# KiCad board led_mapper_850_mirrored.kicad_pcb (continued)
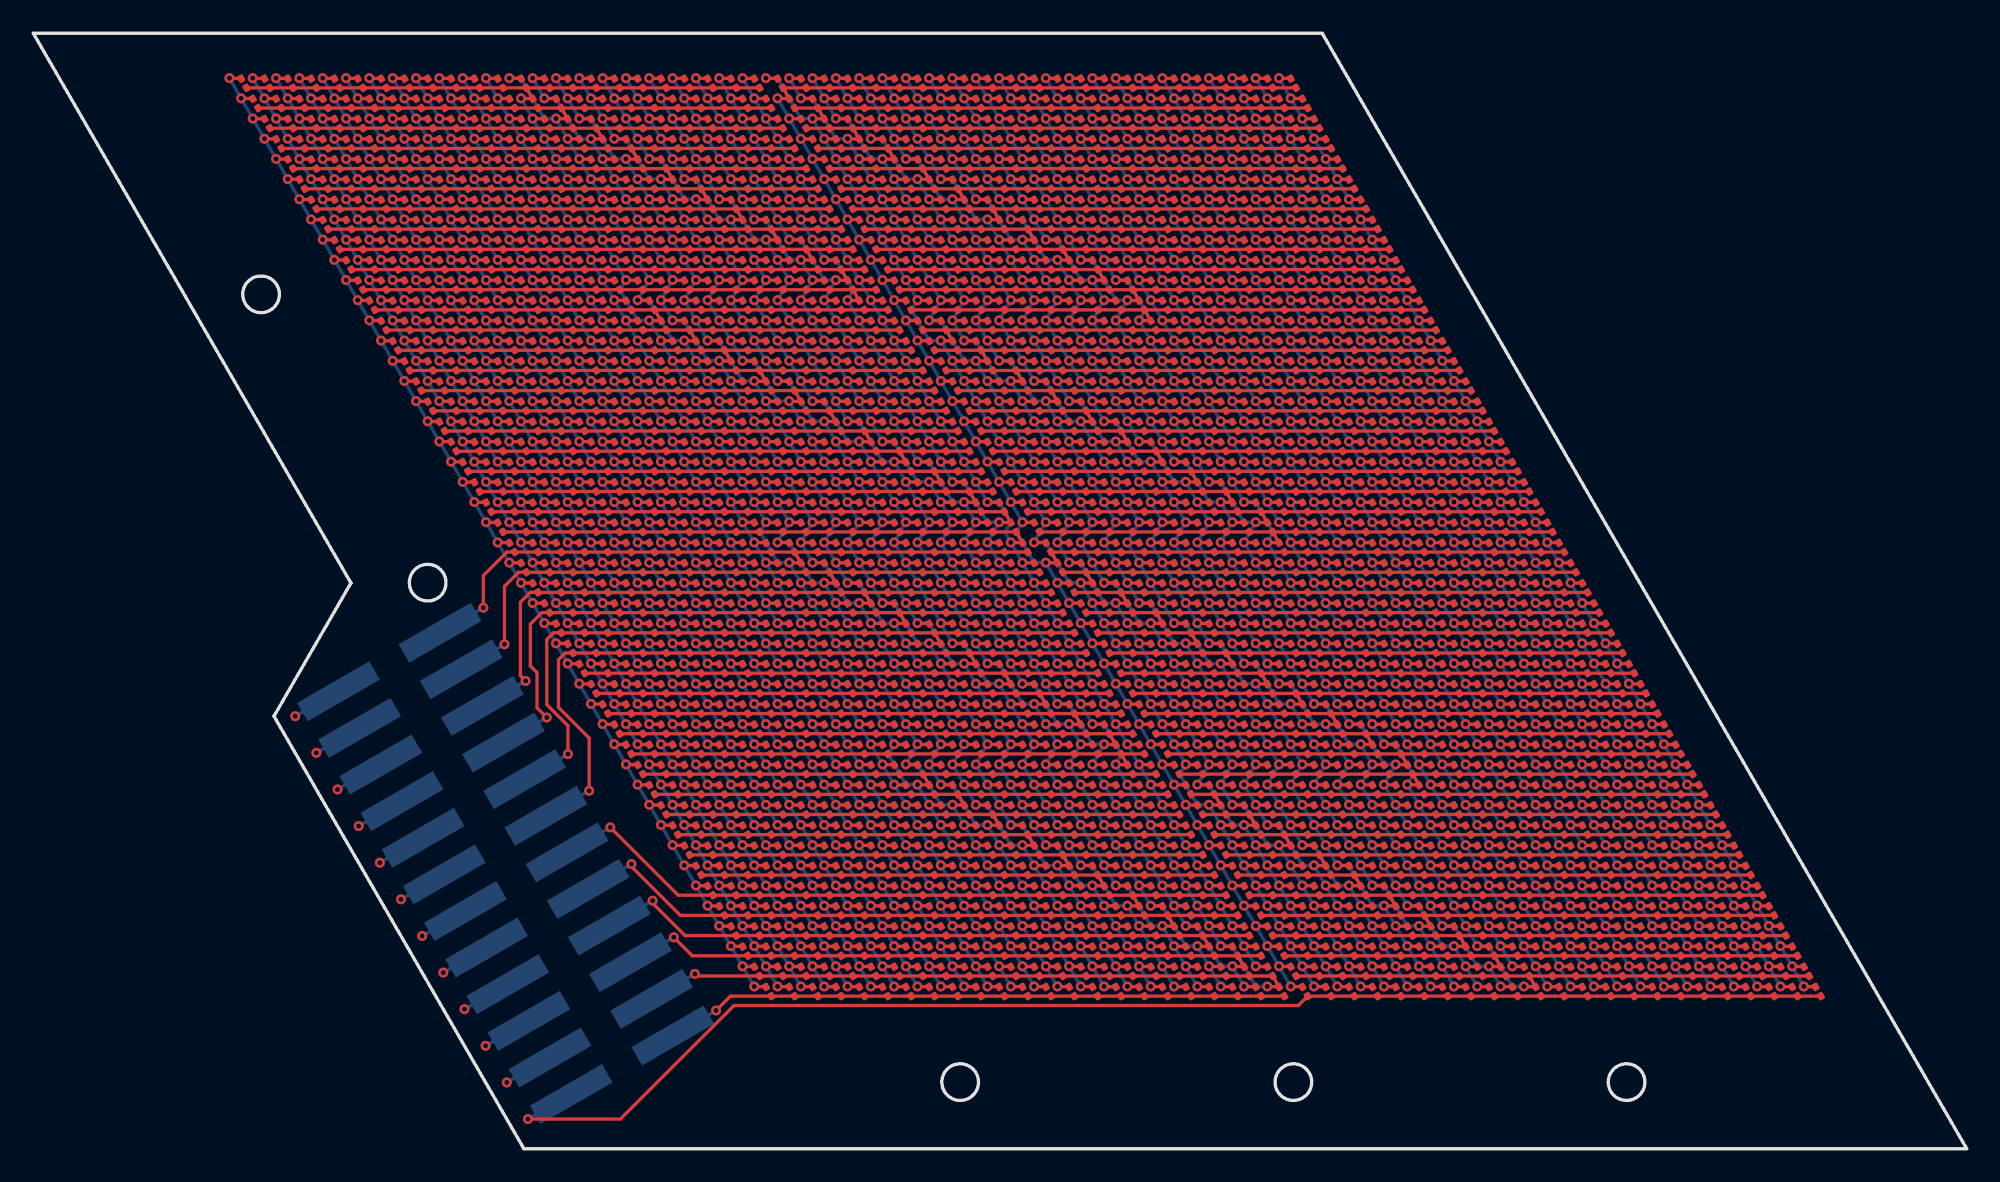
[diagram p0: board, top side]
## Placement (name value [footprint] x y rotation side) (continued)
D1164  LED  [LED_0201_0603Metric_XINGLIGHT]  74.93 33.69 120 top
D1165  LED  [LED_0201_0603Metric_XINGLIGHT]  73.53 33.69 120 top
D1166  LED  [LED_0201_0603Metric_XINGLIGHT]  72.13 33.69 120 top
D1167  LED  [LED_0201_0603Metric_XINGLIGHT]  70.73 33.69 120 top
D1168  LED  [LED_0201_0603Metric_XINGLIGHT]  69.33 33.69 120 top
D1169  LED  [LED_0201_0603Metric_XINGLIGHT]  67.93 33.69 120 top
D1170  LED  [LED_0201_0603Metric_XINGLIGHT]  66.53 33.69 120 top
D1171  LED  [LED_0201_0603Metric_XINGLIGHT]  65.13 33.69 120 top
D1172  LED  [LED_0201_0603Metric_XINGLIGHT]  63.73 33.69 120 top
D1173  LED  [LED_0201_0603Metric_XINGLIGHT]  62.33 33.69 120 top
D1174  LED  [LED_0201_0603Metric_XINGLIGHT]  60.93 33.69 120 top
D1175  LED  [LED_0201_0603Metric_XINGLIGHT]  59.53 33.69 120 top
D1176  LED  [LED_0201_0603Metric_XINGLIGHT]  58.13 33.69 120 top
D1177  LED  [LED_0201_0603Metric_XINGLIGHT]  56.73 33.69 120 top
D1178  LED  [LED_0201_0603Metric_XINGLIGHT]  55.33 33.69 120 top
D1179  LED  [LED_0201_0603Metric_XINGLIGHT]  53.93 33.69 120 top
D1180  LED  [LED_0201_0603Metric_XINGLIGHT]  52.53 33.69 120 top
D1181  LED  [LED_0201_0603Metric_XINGLIGHT]  51.13 33.69 120 top
D1182  LED  [LED_0201_0603Metric_XINGLIGHT]  49.73 33.69 120 top
D1183  LED  [LED_0201_0603Metric_XINGLIGHT]  48.33 33.69 120 top
D1184  LED  [LED_0201_0603Metric_XINGLIGHT]  46.93 33.69 120 top
D1185  LED  [LED_0201_0603Metric_XINGLIGHT]  45.53 33.69 120 top
D1186  LED  [LED_0201_0603Metric_XINGLIGHT]  44.13 33.69 120 top
D1187  LED  [LED_0201_0603Metric_XINGLIGHT]  42.73 33.69 120 top
D1188  LED  [LED_0201_0603Metric_XINGLIGHT]  41.33 33.69 120 top
D1189  LED  [LED_0201_0603Metric_XINGLIGHT]  39.93 33.69 120 top
D1190  LED  [LED_0201_0603Metric_XINGLIGHT]  38.53 33.69 120 top
D1191  LED  [LED_0201_0603Metric_XINGLIGHT]  37.13 33.69 120 top
D1192  LED  [LED_0201_0603Metric_XINGLIGHT]  35.73 33.69 120 top
D1193  LED  [LED_0201_0603Metric_XINGLIGHT]  34.33 33.69 120 top
D1194  LED  [LED_0201_0603Metric_XINGLIGHT]  32.93 33.69 120 top
D1195  LED  [LED_0201_0603Metric_XINGLIGHT]  31.53 33.69 120 top
D1196  LED  [LED_0201_0603Metric_XINGLIGHT]  30.13 33.69 120 top
D1197  LED  [LED_0201_0603Metric_XINGLIGHT]  93.83 32.48 120 top
D1198  LED  [LED_0201_0603Metric_XINGLIGHT]  92.43 32.48 120 top
D1199  LED  [LED_0201_0603Metric_XINGLIGHT]  91.03 32.48 120 top
D1200  LED  [LED_0201_0603Metric_XINGLIGHT]  89.63 32.48 120 top
D1201  LED  [LED_0201_0603Metric_XINGLIGHT]  88.23 32.48 120 top
D1202  LED  [LED_0201_0603Metric_XINGLIGHT]  86.83 32.48 120 top
D1203  LED  [LED_0201_0603Metric_XINGLIGHT]  85.43 32.48 120 top
D1204  LED  [LED_0201_0603Metric_XINGLIGHT]  84.03 32.48 120 top
D1205  LED  [LED_0201_0603Metric_XINGLIGHT]  82.63 32.48 120 top
D1206  LED  [LED_0201_0603Metric_XINGLIGHT]  81.23 32.48 120 top
D1207  LED  [LED_0201_0603Metric_XINGLIGHT]  79.83 32.48 120 top
D1208  LED  [LED_0201_0603Metric_XINGLIGHT]  78.43 32.48 120 top
D1209  LED  [LED_0201_0603Metric_XINGLIGHT]  77.03 32.48 120 top
D1210  LED  [LED_0201_0603Metric_XINGLIGHT]  75.63 32.48 120 top
D1211  LED  [LED_0201_0603Metric_XINGLIGHT]  74.23 32.48 120 top
D1212  LED  [LED_0201_0603Metric_XINGLIGHT]  72.83 32.48 120 top
D1213  LED  [LED_0201_0603Metric_XINGLIGHT]  71.43 32.48 120 top
D1214  LED  [LED_0201_0603Metric_XINGLIGHT]  70.03 32.48 120 top
D1215  LED  [LED_0201_0603Metric_XINGLIGHT]  68.63 32.48 120 top
D1216  LED  [LED_0201_0603Metric_XINGLIGHT]  67.23 32.48 120 top
D1217  LED  [LED_0201_0603Metric_XINGLIGHT]  65.83 32.48 120 top
D1218  LED  [LED_0201_0603Metric_XINGLIGHT]  64.43 32.48 120 top
D1219  LED  [LED_0201_0603Metric_XINGLIGHT]  63.03 32.48 120 top
D1220  LED  [LED_0201_0603Metric_XINGLIGHT]  61.63 32.48 120 top
D1221  LED  [LED_0201_0603Metric_XINGLIGHT]  60.23 32.48 120 top
D1222  LED  [LED_0201_0603Metric_XINGLIGHT]  58.83 32.48 120 top
D1223  LED  [LED_0201_0603Metric_XINGLIGHT]  57.43 32.48 120 top
D1224  LED  [LED_0201_0603Metric_XINGLIGHT]  56.03 32.48 120 top
D1225  LED  [LED_0201_0603Metric_XINGLIGHT]  54.63 32.48 120 top
D1226  LED  [LED_0201_0603Metric_XINGLIGHT]  53.23 32.48 120 top
D1227  LED  [LED_0201_0603Metric_XINGLIGHT]  51.83 32.48 120 top
D1228  LED  [LED_0201_0603Metric_XINGLIGHT]  50.43 32.48 120 top
D1229  LED  [LED_0201_0603Metric_XINGLIGHT]  49.03 32.48 120 top
D1230  LED  [LED_0201_0603Metric_XINGLIGHT]  47.63 32.48 120 top
D1231  LED  [LED_0201_0603Metric_XINGLIGHT]  46.23 32.48 120 top
D1232  LED  [LED_0201_0603Metric_XINGLIGHT]  44.83 32.48 120 top
D1233  LED  [LED_0201_0603Metric_XINGLIGHT]  43.43 32.48 120 top
D1234  LED  [LED_0201_0603Metric_XINGLIGHT]  42.03 32.48 120 top
D1235  LED  [LED_0201_0603Metric_XINGLIGHT]  40.63 32.48 120 top
D1236  LED  [LED_0201_0603Metric_XINGLIGHT]  39.23 32.48 120 top
D1237  LED  [LED_0201_0603Metric_XINGLIGHT]  37.83 32.48 120 top
D1238  LED  [LED_0201_0603Metric_XINGLIGHT]  36.43 32.48 120 top
D1239  LED  [LED_0201_0603Metric_XINGLIGHT]  35.03 32.48 120 top
D1240  LED  [LED_0201_0603Metric_XINGLIGHT]  33.63 32.48 120 top
D1241  LED  [LED_0201_0603Metric_XINGLIGHT]  32.23 32.48 120 top
D1242  LED  [LED_0201_0603Metric_XINGLIGHT]  30.83 32.48 120 top
D1243  LED  [LED_0201_0603Metric_XINGLIGHT]  94.53 31.26 120 top
D1244  LED  [LED_0201_0603Metric_XINGLIGHT]  93.13 31.26 120 top
D1245  LED  [LED_0201_0603Metric_XINGLIGHT]  91.73 31.26 120 top
D1246  LED  [LED_0201_0603Metric_XINGLIGHT]  90.33 31.26 120 top
D1247  LED  [LED_0201_0603Metric_XINGLIGHT]  88.93 31.26 120 top
D1248  LED  [LED_0201_0603Metric_XINGLIGHT]  87.53 31.26 120 top
D1249  LED  [LED_0201_0603Metric_XINGLIGHT]  86.13 31.26 120 top
D1250  LED  [LED_0201_0603Metric_XINGLIGHT]  84.73 31.26 120 top
D1251  LED  [LED_0201_0603Metric_XINGLIGHT]  83.33 31.26 120 top
D1252  LED  [LED_0201_0603Metric_XINGLIGHT]  81.93 31.26 120 top
D1253  LED  [LED_0201_0603Metric_XINGLIGHT]  80.53 31.26 120 top
D1254  LED  [LED_0201_0603Metric_XINGLIGHT]  79.13 31.26 120 top
D1255  LED  [LED_0201_0603Metric_XINGLIGHT]  77.73 31.26 120 top
D1256  LED  [LED_0201_0603Metric_XINGLIGHT]  76.33 31.26 120 top
D1257  LED  [LED_0201_0603Metric_XINGLIGHT]  74.93 31.26 120 top
D1258  LED  [LED_0201_0603Metric_XINGLIGHT]  73.53 31.26 120 top
D1259  LED  [LED_0201_0603Metric_XINGLIGHT]  72.13 31.26 120 top
D1260  LED  [LED_0201_0603Metric_XINGLIGHT]  70.73 31.26 120 top
D1261  LED  [LED_0201_0603Metric_XINGLIGHT]  69.33 31.26 120 top
D1262  LED  [LED_0201_0603Metric_XINGLIGHT]  67.93 31.26 120 top
D1263  LED  [LED_0201_0603Metric_XINGLIGHT]  66.53 31.26 120 top
D1264  LED  [LED_0201_0603Metric_XINGLIGHT]  65.13 31.26 120 top
D1265  LED  [LED_0201_0603Metric_XINGLIGHT]  63.73 31.26 120 top
D1266  LED  [LED_0201_0603Metric_XINGLIGHT]  62.33 31.26 120 top
D1267  LED  [LED_0201_0603Metric_XINGLIGHT]  60.93 31.26 120 top
D1268  LED  [LED_0201_0603Metric_XINGLIGHT]  59.53 31.26 120 top
D1269  LED  [LED_0201_0603Metric_XINGLIGHT]  58.13 31.26 120 top
D1270  LED  [LED_0201_0603Metric_XINGLIGHT]  56.73 31.26 120 top
D1271  LED  [LED_0201_0603Metric_XINGLIGHT]  55.33 31.26 120 top
D1272  LED  [LED_0201_0603Metric_XINGLIGHT]  53.93 31.26 120 top
D1273  LED  [LED_0201_0603Metric_XINGLIGHT]  52.53 31.26 120 top
D1274  LED  [LED_0201_0603Metric_XINGLIGHT]  51.13 31.26 120 top
D1275  LED  [LED_0201_0603Metric_XINGLIGHT]  49.73 31.26 120 top
D1276  LED  [LED_0201_0603Metric_XINGLIGHT]  48.33 31.26 120 top
D1277  LED  [LED_0201_0603Metric_XINGLIGHT]  46.93 31.26 120 top
D1278  LED  [LED_0201_0603Metric_XINGLIGHT]  45.53 31.26 120 top
D1279  LED  [LED_0201_0603Metric_XINGLIGHT]  44.13 31.26 120 top
D1280  LED  [LED_0201_0603Metric_XINGLIGHT]  42.73 31.26 120 top
D1281  LED  [LED_0201_0603Metric_XINGLIGHT]  41.33 31.26 120 top
D1282  LED  [LED_0201_0603Metric_XINGLIGHT]  39.93 31.26 120 top
D1283  LED  [LED_0201_0603Metric_XINGLIGHT]  38.53 31.26 120 top
D1284  LED  [LED_0201_0603Metric_XINGLIGHT]  37.13 31.26 120 top
D1285  LED  [LED_0201_0603Metric_XINGLIGHT]  35.73 31.26 120 top
D1286  LED  [LED_0201_0603Metric_XINGLIGHT]  34.33 31.26 120 top
D1287  LED  [LED_0201_0603Metric_XINGLIGHT]  32.93 31.26 120 top
D1288  LED  [LED_0201_0603Metric_XINGLIGHT]  31.53 31.26 120 top
D1289  LED  [LED_0201_0603Metric_XINGLIGHT]  95.23 30.05 120 top
D1290  LED  [LED_0201_0603Metric_XINGLIGHT]  93.83 30.05 120 top
D1291  LED  [LED_0201_0603Metric_XINGLIGHT]  92.43 30.05 120 top
D1292  LED  [LED_0201_0603Metric_XINGLIGHT]  91.03 30.05 120 top
D1293  LED  [LED_0201_0603Metric_XINGLIGHT]  89.63 30.05 120 top
D1294  LED  [LED_0201_0603Metric_XINGLIGHT]  88.23 30.05 120 top
D1295  LED  [LED_0201_0603Metric_XINGLIGHT]  86.83 30.05 120 top
D1296  LED  [LED_0201_0603Metric_XINGLIGHT]  85.43 30.05 120 top
D1297  LED  [LED_0201_0603Metric_XINGLIGHT]  84.03 30.05 120 top
D1298  LED  [LED_0201_0603Metric_XINGLIGHT]  82.63 30.05 120 top
D1299  LED  [LED_0201_0603Metric_XINGLIGHT]  81.23 30.05 120 top
D1300  LED  [LED_0201_0603Metric_XINGLIGHT]  79.83 30.05 120 top
D1301  LED  [LED_0201_0603Metric_XINGLIGHT]  78.43 30.05 120 top
D1302  LED  [LED_0201_0603Metric_XINGLIGHT]  77.03 30.05 120 top
D1303  LED  [LED_0201_0603Metric_XINGLIGHT]  75.63 30.05 120 top
D1304  LED  [LED_0201_0603Metric_XINGLIGHT]  74.23 30.05 120 top
D1305  LED  [LED_0201_0603Metric_XINGLIGHT]  72.83 30.05 120 top
D1306  LED  [LED_0201_0603Metric_XINGLIGHT]  71.43 30.05 120 top
D1307  LED  [LED_0201_0603Metric_XINGLIGHT]  70.03 30.05 120 top
D1308  LED  [LED_0201_0603Metric_XINGLIGHT]  68.63 30.05 120 top
D1309  LED  [LED_0201_0603Metric_XINGLIGHT]  67.23 30.05 120 top
D1310  LED  [LED_0201_0603Metric_XINGLIGHT]  65.83 30.05 120 top
D1311  LED  [LED_0201_0603Metric_XINGLIGHT]  64.43 30.05 120 top
D1312  LED  [LED_0201_0603Metric_XINGLIGHT]  63.03 30.05 120 top
D1313  LED  [LED_0201_0603Metric_XINGLIGHT]  61.63 30.05 120 top
D1314  LED  [LED_0201_0603Metric_XINGLIGHT]  60.23 30.05 120 top
D1315  LED  [LED_0201_0603Metric_XINGLIGHT]  58.83 30.05 120 top
D1316  LED  [LED_0201_0603Metric_XINGLIGHT]  57.43 30.05 120 top
D1317  LED  [LED_0201_0603Metric_XINGLIGHT]  56.03 30.05 120 top
D1318  LED  [LED_0201_0603Metric_XINGLIGHT]  54.63 30.05 120 top
D1319  LED  [LED_0201_0603Metric_XINGLIGHT]  53.23 30.05 120 top
D1320  LED  [LED_0201_0603Metric_XINGLIGHT]  51.83 30.05 120 top
D1321  LED  [LED_0201_0603Metric_XINGLIGHT]  50.43 30.05 120 top
D1322  LED  [LED_0201_0603Metric_XINGLIGHT]  49.03 30.05 120 top
D1323  LED  [LED_0201_0603Metric_XINGLIGHT]  47.63 30.05 120 top
D1324  LED  [LED_0201_0603Metric_XINGLIGHT]  46.23 30.05 120 top
D1325  LED  [LED_0201_0603Metric_XINGLIGHT]  44.83 30.05 120 top
D1326  LED  [LED_0201_0603Metric_XINGLIGHT]  43.43 30.05 120 top
D1327  LED  [LED_0201_0603Metric_XINGLIGHT]  42.03 30.05 120 top
D1328  LED  [LED_0201_0603Metric_XINGLIGHT]  40.63 30.05 120 top
D1329  LED  [LED_0201_0603Metric_XINGLIGHT]  39.23 30.05 120 top
D1330  LED  [LED_0201_0603Metric_XINGLIGHT]  37.83 30.05 120 top
D1331  LED  [LED_0201_0603Metric_XINGLIGHT]  36.43 30.05 120 top
D1332  LED  [LED_0201_0603Metric_XINGLIGHT]  35.03 30.05 120 top
D1333  LED  [LED_0201_0603Metric_XINGLIGHT]  33.63 30.05 120 top
D1334  LED  [LED_0201_0603Metric_XINGLIGHT]  32.23 30.05 120 top
D1335  LED  [LED_0201_0603Metric_XINGLIGHT]  95.93 28.84 120 top
D1336  LED  [LED_0201_0603Metric_XINGLIGHT]  94.53 28.84 120 top
D1337  LED  [LED_0201_0603Metric_XINGLIGHT]  93.13 28.84 120 top
D1338  LED  [LED_0201_0603Metric_XINGLIGHT]  91.73 28.84 120 top
D1339  LED  [LED_0201_0603Metric_XINGLIGHT]  90.33 28.84 120 top
D1340  LED  [LED_0201_0603Metric_XINGLIGHT]  88.93 28.84 120 top
D1341  LED  [LED_0201_0603Metric_XINGLIGHT]  87.53 28.84 120 top
D1342  LED  [LED_0201_0603Metric_XINGLIGHT]  86.13 28.84 120 top
D1343  LED  [LED_0201_0603Metric_XINGLIGHT]  84.73 28.84 120 top
D1344  LED  [LED_0201_0603Metric_XINGLIGHT]  83.33 28.84 120 top
D1345  LED  [LED_0201_0603Metric_XINGLIGHT]  81.93 28.84 120 top
D1346  LED  [LED_0201_0603Metric_XINGLIGHT]  80.53 28.84 120 top
D1347  LED  [LED_0201_0603Metric_XINGLIGHT]  79.13 28.84 120 top
D1348  LED  [LED_0201_0603Metric_XINGLIGHT]  77.73 28.84 120 top
D1349  LED  [LED_0201_0603Metric_XINGLIGHT]  76.33 28.84 120 top
D1350  LED  [LED_0201_0603Metric_XINGLIGHT]  74.93 28.84 120 top
D1351  LED  [LED_0201_0603Metric_XINGLIGHT]  73.53 28.84 120 top
D1352  LED  [LED_0201_0603Metric_XINGLIGHT]  72.13 28.84 120 top
D1353  LED  [LED_0201_0603Metric_XINGLIGHT]  70.73 28.84 120 top
D1354  LED  [LED_0201_0603Metric_XINGLIGHT]  69.33 28.84 120 top
D1355  LED  [LED_0201_0603Metric_XINGLIGHT]  67.93 28.84 120 top
D1356  LED  [LED_0201_0603Metric_XINGLIGHT]  66.53 28.84 120 top
D1357  LED  [LED_0201_0603Metric_XINGLIGHT]  65.13 28.84 120 top
D1358  LED  [LED_0201_0603Metric_XINGLIGHT]  63.73 28.84 120 top
D1359  LED  [LED_0201_0603Metric_XINGLIGHT]  62.33 28.84 120 top
D1360  LED  [LED_0201_0603Metric_XINGLIGHT]  60.93 28.84 120 top
D1361  LED  [LED_0201_0603Metric_XINGLIGHT]  59.53 28.84 120 top
D1362  LED  [LED_0201_0603Metric_XINGLIGHT]  58.13 28.84 120 top
D1363  LED  [LED_0201_0603Metric_XINGLIGHT]  56.73 28.84 120 top
D1364  LED  [LED_0201_0603Metric_XINGLIGHT]  55.33 28.84 120 top
D1365  LED  [LED_0201_0603Metric_XINGLIGHT]  53.93 28.84 120 top
D1366  LED  [LED_0201_0603Metric_XINGLIGHT]  52.53 28.84 120 top
D1367  LED  [LED_0201_0603Metric_XINGLIGHT]  51.13 28.84 120 top
D1368  LED  [LED_0201_0603Metric_XINGLIGHT]  49.73 28.84 120 top
D1369  LED  [LED_0201_0603Metric_XINGLIGHT]  48.33 28.84 120 top
D1370  LED  [LED_0201_0603Metric_XINGLIGHT]  46.93 28.84 120 top
D1371  LED  [LED_0201_0603Metric_XINGLIGHT]  45.53 28.84 120 top
D1372  LED  [LED_0201_0603Metric_XINGLIGHT]  44.13 28.84 120 top
D1373  LED  [LED_0201_0603Metric_XINGLIGHT]  42.73 28.84 120 top
D1374  LED  [LED_0201_0603Metric_XINGLIGHT]  41.33 28.84 120 top
D1375  LED  [LED_0201_0603Metric_XINGLIGHT]  39.93 28.84 120 top
D1376  LED  [LED_0201_0603Metric_XINGLIGHT]  38.53 28.84 120 top
D1377  LED  [LED_0201_0603Metric_XINGLIGHT]  37.13 28.84 120 top
D1378  LED  [LED_0201_0603Metric_XINGLIGHT]  35.73 28.84 120 top
D1379  LED  [LED_0201_0603Metric_XINGLIGHT]  34.33 28.84 120 top
D1380  LED  [LED_0201_0603Metric_XINGLIGHT]  32.93 28.84 120 top
D1381  LED  [LED_0201_0603Metric_XINGLIGHT]  96.63 27.63 120 top
D1382  LED  [LED_0201_0603Metric_XINGLIGHT]  95.23 27.63 120 top
D1383  LED  [LED_0201_0603Metric_XINGLIGHT]  93.83 27.63 120 top
D1384  LED  [LED_0201_0603Metric_XINGLIGHT]  92.43 27.63 120 top
D1385  LED  [LED_0201_0603Metric_XINGLIGHT]  91.03 27.63 120 top
D1386  LED  [LED_0201_0603Metric_XINGLIGHT]  89.63 27.63 120 top
D1387  LED  [LED_0201_0603Metric_XINGLIGHT]  88.23 27.63 120 top
D1388  LED  [LED_0201_0603Metric_XINGLIGHT]  86.83 27.63 120 top
D1389  LED  [LED_0201_0603Metric_XINGLIGHT]  85.43 27.63 120 top
D1390  LED  [LED_0201_0603Metric_XINGLIGHT]  84.03 27.63 120 top
D1391  LED  [LED_0201_0603Metric_XINGLIGHT]  82.63 27.63 120 top
D1392  LED  [LED_0201_0603Metric_XINGLIGHT]  81.23 27.63 120 top
D1393  LED  [LED_0201_0603Metric_XINGLIGHT]  79.83 27.63 120 top
D1394  LED  [LED_0201_0603Metric_XINGLIGHT]  78.43 27.63 120 top
D1395  LED  [LED_0201_0603Metric_XINGLIGHT]  77.03 27.63 120 top
D1396  LED  [LED_0201_0603Metric_XINGLIGHT]  75.63 27.63 120 top
D1397  LED  [LED_0201_0603Metric_XINGLIGHT]  74.23 27.63 120 top
D1398  LED  [LED_0201_0603Metric_XINGLIGHT]  72.83 27.63 120 top
D1399  LED  [LED_0201_0603Metric_XINGLIGHT]  71.43 27.63 120 top
D1400  LED  [LED_0201_0603Metric_XINGLIGHT]  70.03 27.63 120 top
D1401  LED  [LED_0201_0603Metric_XINGLIGHT]  68.63 27.63 120 top
D1402  LED  [LED_0201_0603Metric_XINGLIGHT]  67.23 27.63 120 top
D1403  LED  [LED_0201_0603Metric_XINGLIGHT]  65.83 27.63 120 top
D1404  LED  [LED_0201_0603Metric_XINGLIGHT]  64.43 27.63 120 top
D1405  LED  [LED_0201_0603Metric_XINGLIGHT]  63.03 27.63 120 top
D1406  LED  [LED_0201_0603Metric_XINGLIGHT]  61.63 27.63 120 top
D1407  LED  [LED_0201_0603Metric_XINGLIGHT]  60.23 27.63 120 top
D1408  LED  [LED_0201_0603Metric_XINGLIGHT]  58.83 27.63 120 top
D1409  LED  [LED_0201_0603Metric_XINGLIGHT]  57.43 27.63 120 top
D1410  LED  [LED_0201_0603Metric_XINGLIGHT]  56.03 27.63 120 top
D1411  LED  [LED_0201_0603Metric_XINGLIGHT]  54.63 27.63 120 top
D1412  LED  [LED_0201_0603Metric_XINGLIGHT]  53.23 27.63 120 top
D1413  LED  [LED_0201_0603Metric_XINGLIGHT]  51.83 27.63 120 top
D1414  LED  [LED_0201_0603Metric_XINGLIGHT]  50.43 27.63 120 top
D1415  LED  [LED_0201_0603Metric_XINGLIGHT]  49.03 27.63 120 top
D1416  LED  [LED_0201_0603Metric_XINGLIGHT]  47.63 27.63 120 top
D1417  LED  [LED_0201_0603Metric_XINGLIGHT]  46.23 27.63 120 top
D1418  LED  [LED_0201_0603Metric_XINGLIGHT]  44.83 27.63 120 top
D1419  LED  [LED_0201_0603Metric_XINGLIGHT]  43.43 27.63 120 top
D1420  LED  [LED_0201_0603Metric_XINGLIGHT]  42.03 27.63 120 top
D1421  LED  [LED_0201_0603Metric_XINGLIGHT]  40.63 27.63 120 top
D1422  LED  [LED_0201_0603Metric_XINGLIGHT]  39.23 27.63 120 top
D1423  LED  [LED_0201_0603Metric_XINGLIGHT]  37.83 27.63 120 top
D1424  LED  [LED_0201_0603Metric_XINGLIGHT]  36.43 27.63 120 top
D1425  LED  [LED_0201_0603Metric_XINGLIGHT]  35.03 27.63 120 top
D1426  LED  [LED_0201_0603Metric_XINGLIGHT]  33.63 27.63 120 top
D1427  LED  [LED_0201_0603Metric_XINGLIGHT]  97.33 26.41 120 top
D1428  LED  [LED_0201_0603Metric_XINGLIGHT]  95.93 26.41 120 top
D1429  LED  [LED_0201_0603Metric_XINGLIGHT]  94.53 26.41 120 top
D1430  LED  [LED_0201_0603Metric_XINGLIGHT]  93.13 26.41 120 top
D1431  LED  [LED_0201_0603Metric_XINGLIGHT]  91.73 26.41 120 top
D1432  LED  [LED_0201_0603Metric_XINGLIGHT]  90.33 26.41 120 top
D1433  LED  [LED_0201_0603Metric_XINGLIGHT]  88.93 26.41 120 top
D1434  LED  [LED_0201_0603Metric_XINGLIGHT]  87.53 26.41 120 top
D1435  LED  [LED_0201_0603Metric_XINGLIGHT]  86.13 26.41 120 top
D1436  LED  [LED_0201_0603Metric_XINGLIGHT]  84.73 26.41 120 top
D1437  LED  [LED_0201_0603Metric_XINGLIGHT]  83.33 26.41 120 top
D1438  LED  [LED_0201_0603Metric_XINGLIGHT]  81.93 26.41 120 top
D1439  LED  [LED_0201_0603Metric_XINGLIGHT]  80.53 26.41 120 top
D1440  LED  [LED_0201_0603Metric_XINGLIGHT]  79.13 26.41 120 top
D1441  LED  [LED_0201_0603Metric_XINGLIGHT]  77.73 26.41 120 top
D1442  LED  [LED_0201_0603Metric_XINGLIGHT]  76.33 26.41 120 top
D1443  LED  [LED_0201_0603Metric_XINGLIGHT]  74.93 26.41 120 top
D1444  LED  [LED_0201_0603Metric_XINGLIGHT]  73.53 26.41 120 top
D1445  LED  [LED_0201_0603Metric_XINGLIGHT]  72.13 26.41 120 top
D1446  LED  [LED_0201_0603Metric_XINGLIGHT]  70.73 26.41 120 top
D1447  LED  [LED_0201_0603Metric_XINGLIGHT]  69.33 26.41 120 top
D1448  LED  [LED_0201_0603Metric_XINGLIGHT]  67.93 26.41 120 top
D1449  LED  [LED_0201_0603Metric_XINGLIGHT]  66.53 26.41 120 top
D1450  LED  [LED_0201_0603Metric_XINGLIGHT]  65.13 26.41 120 top
D1451  LED  [LED_0201_0603Metric_XINGLIGHT]  63.73 26.41 120 top
D1452  LED  [LED_0201_0603Metric_XINGLIGHT]  62.33 26.41 120 top
D1453  LED  [LED_0201_0603Metric_XINGLIGHT]  60.93 26.41 120 top
D1454  LED  [LED_0201_0603Metric_XINGLIGHT]  59.53 26.41 120 top
D1455  LED  [LED_0201_0603Metric_XINGLIGHT]  58.13 26.41 120 top
D1456  LED  [LED_0201_0603Metric_XINGLIGHT]  56.73 26.41 120 top
D1457  LED  [LED_0201_0603Metric_XINGLIGHT]  55.33 26.41 120 top
D1458  LED  [LED_0201_0603Metric_XINGLIGHT]  53.93 26.41 120 top
D1459  LED  [LED_0201_0603Metric_XINGLIGHT]  52.53 26.41 120 top
D1460  LED  [LED_0201_0603Metric_XINGLIGHT]  51.13 26.41 120 top
D1461  LED  [LED_0201_0603Metric_XINGLIGHT]  49.73 26.41 120 top
D1462  LED  [LED_0201_0603Metric_XINGLIGHT]  48.33 26.41 120 top
D1463  LED  [LED_0201_0603Metric_XINGLIGHT]  46.93 26.41 120 top
D1464  LED  [LED_0201_0603Metric_XINGLIGHT]  45.53 26.41 120 top
D1465  LED  [LED_0201_0603Metric_XINGLIGHT]  44.13 26.41 120 top
D1466  LED  [LED_0201_0603Metric_XINGLIGHT]  42.73 26.41 120 top
D1467  LED  [LED_0201_0603Metric_XINGLIGHT]  41.33 26.41 120 top
D1468  LED  [LED_0201_0603Metric_XINGLIGHT]  39.93 26.41 120 top
D1469  LED  [LED_0201_0603Metric_XINGLIGHT]  38.53 26.41 120 top
D1470  LED  [LED_0201_0603Metric_XINGLIGHT]  37.13 26.41 120 top
D1471  LED  [LED_0201_0603Metric_XINGLIGHT]  35.73 26.41 120 top
D1472  LED  [LED_0201_0603Metric_XINGLIGHT]  34.33 26.41 120 top
D1473  LED  [LED_0201_0603Metric_XINGLIGHT]  98.03 25.2 120 top
D1474  LED  [LED_0201_0603Metric_XINGLIGHT]  96.63 25.2 120 top
D1475  LED  [LED_0201_0603Metric_XINGLIGHT]  95.23 25.2 120 top
D1476  LED  [LED_0201_0603Metric_XINGLIGHT]  93.83 25.2 120 top
D1477  LED  [LED_0201_0603Metric_XINGLIGHT]  92.43 25.2 120 top
D1478  LED  [LED_0201_0603Metric_XINGLIGHT]  91.03 25.2 120 top
D1479  LED  [LED_0201_0603Metric_XINGLIGHT]  89.63 25.2 120 top
D1480  LED  [LED_0201_0603Metric_XINGLIGHT]  88.23 25.2 120 top
D1481  LED  [LED_0201_0603Metric_XINGLIGHT]  86.83 25.2 120 top
D1482  LED  [LED_0201_0603Metric_XINGLIGHT]  85.43 25.2 120 top
D1483  LED  [LED_0201_0603Metric_XINGLIGHT]  84.03 25.2 120 top
D1484  LED  [LED_0201_0603Metric_XINGLIGHT]  82.63 25.2 120 top
D1485  LED  [LED_0201_0603Metric_XINGLIGHT]  81.23 25.2 120 top
D1486  LED  [LED_0201_0603Metric_XINGLIGHT]  79.83 25.2 120 top
D1487  LED  [LED_0201_0603Metric_XINGLIGHT]  78.43 25.2 120 top
D1488  LED  [LED_0201_0603Metric_XINGLIGHT]  77.03 25.2 120 top
D1489  LED  [LED_0201_0603Metric_XINGLIGHT]  75.63 25.2 120 top
D1490  LED  [LED_0201_0603Metric_XINGLIGHT]  74.23 25.2 120 top
D1491  LED  [LED_0201_0603Metric_XINGLIGHT]  72.83 25.2 120 top
D1492  LED  [LED_0201_0603Metric_XINGLIGHT]  71.43 25.2 120 top
D1493  LED  [LED_0201_0603Metric_XINGLIGHT]  70.03 25.2 120 top
D1494  LED  [LED_0201_0603Metric_XINGLIGHT]  68.63 25.2 120 top
D1495  LED  [LED_0201_0603Metric_XINGLIGHT]  67.23 25.2 120 top
D1496  LED  [LED_0201_0603Metric_XINGLIGHT]  65.83 25.2 120 top
D1497  LED  [LED_0201_0603Metric_XINGLIGHT]  64.43 25.2 120 top
D1498  LED  [LED_0201_0603Metric_XINGLIGHT]  63.03 25.2 120 top
D1499  LED  [LED_0201_0603Metric_XINGLIGHT]  61.63 25.2 120 top
D1500  LED  [LED_0201_0603Metric_XINGLIGHT]  60.23 25.2 120 top
D1501  LED  [LED_0201_0603Metric_XINGLIGHT]  58.83 25.2 120 top
D1502  LED  [LED_0201_0603Metric_XINGLIGHT]  57.43 25.2 120 top
D1503  LED  [LED_0201_0603Metric_XINGLIGHT]  56.03 25.2 120 top
D1504  LED  [LED_0201_0603Metric_XINGLIGHT]  54.63 25.2 120 top
D1505  LED  [LED_0201_0603Metric_XINGLIGHT]  53.23 25.2 120 top
D1506  LED  [LED_0201_0603Metric_XINGLIGHT]  51.83 25.2 120 top
D1507  LED  [LED_0201_0603Metric_XINGLIGHT]  50.43 25.2 120 top
D1508  LED  [LED_0201_0603Metric_XINGLIGHT]  49.03 25.2 120 top
D1509  LED  [LED_0201_0603Metric_XINGLIGHT]  47.63 25.2 120 top
D1510  LED  [LED_0201_0603Metric_XINGLIGHT]  46.23 25.2 120 top
D1511  LED  [LED_0201_0603Metric_XINGLIGHT]  44.83 25.2 120 top
D1512  LED  [LED_0201_0603Metric_XINGLIGHT]  43.43 25.2 120 top
D1513  LED  [LED_0201_0603Metric_XINGLIGHT]  42.03 25.2 120 top
D1514  LED  [LED_0201_0603Metric_XINGLIGHT]  40.63 25.2 120 top
D1515  LED  [LED_0201_0603Metric_XINGLIGHT]  39.23 25.2 120 top
D1516  LED  [LED_0201_0603Metric_XINGLIGHT]  37.83 25.2 120 top
D1517  LED  [LED_0201_0603Metric_XINGLIGHT]  36.43 25.2 120 top
D1518  LED  [LED_0201_0603Metric_XINGLIGHT]  35.03 25.2 120 top
D1519  LED  [LED_0201_0603Metric_XINGLIGHT]  98.73 23.99 120 top
D1520  LED  [LED_0201_0603Metric_XINGLIGHT]  97.33 23.99 120 top
D1521  LED  [LED_0201_0603Metric_XINGLIGHT]  95.93 23.99 120 top
D1522  LED  [LED_0201_0603Metric_XINGLIGHT]  94.53 23.99 120 top
D1523  LED  [LED_0201_0603Metric_XINGLIGHT]  93.13 23.99 120 top
D1524  LED  [LED_0201_0603Metric_XINGLIGHT]  91.73 23.99 120 top
D1525  LED  [LED_0201_0603Metric_XINGLIGHT]  90.33 23.99 120 top
D1526  LED  [LED_0201_0603Metric_XINGLIGHT]  88.93 23.99 120 top
D1527  LED  [LED_0201_0603Metric_XINGLIGHT]  87.53 23.99 120 top
D1528  LED  [LED_0201_0603Metric_XINGLIGHT]  86.13 23.99 120 top
D1529  LED  [LED_0201_0603Metric_XINGLIGHT]  84.73 23.99 120 top
D1530  LED  [LED_0201_0603Metric_XINGLIGHT]  83.33 23.99 120 top
D1531  LED  [LED_0201_0603Metric_XINGLIGHT]  81.93 23.99 120 top
D1532  LED  [LED_0201_0603Metric_XINGLIGHT]  80.53 23.99 120 top
D1533  LED  [LED_0201_0603Metric_XINGLIGHT]  79.13 23.99 120 top
D1534  LED  [LED_0201_0603Metric_XINGLIGHT]  77.73 23.99 120 top
D1535  LED  [LED_0201_0603Metric_XINGLIGHT]  76.33 23.99 120 top
D1536  LED  [LED_0201_0603Metric_XINGLIGHT]  74.93 23.99 120 top
D1537  LED  [LED_0201_0603Metric_XINGLIGHT]  73.53 23.99 120 top
D1538  LED  [LED_0201_0603Metric_XINGLIGHT]  72.13 23.99 120 top
D1539  LED  [LED_0201_0603Metric_XINGLIGHT]  70.73 23.99 120 top
D1540  LED  [LED_0201_0603Metric_XINGLIGHT]  69.33 23.99 120 top
D1541  LED  [LED_0201_0603Metric_XINGLIGHT]  67.93 23.99 120 top
D1542  LED  [LED_0201_0603Metric_XINGLIGHT]  66.53 23.99 120 top
D1543  LED  [LED_0201_0603Metric_XINGLIGHT]  65.13 23.99 120 top
D1544  LED  [LED_0201_0603Metric_XINGLIGHT]  63.73 23.99 120 top
D1545  LED  [LED_0201_0603Metric_XINGLIGHT]  62.33 23.99 120 top
D1546  LED  [LED_0201_0603Metric_XINGLIGHT]  60.93 23.99 120 top
D1547  LED  [LED_0201_0603Metric_XINGLIGHT]  59.53 23.99 120 top
